# KiCad board nola8.kicad_pcb
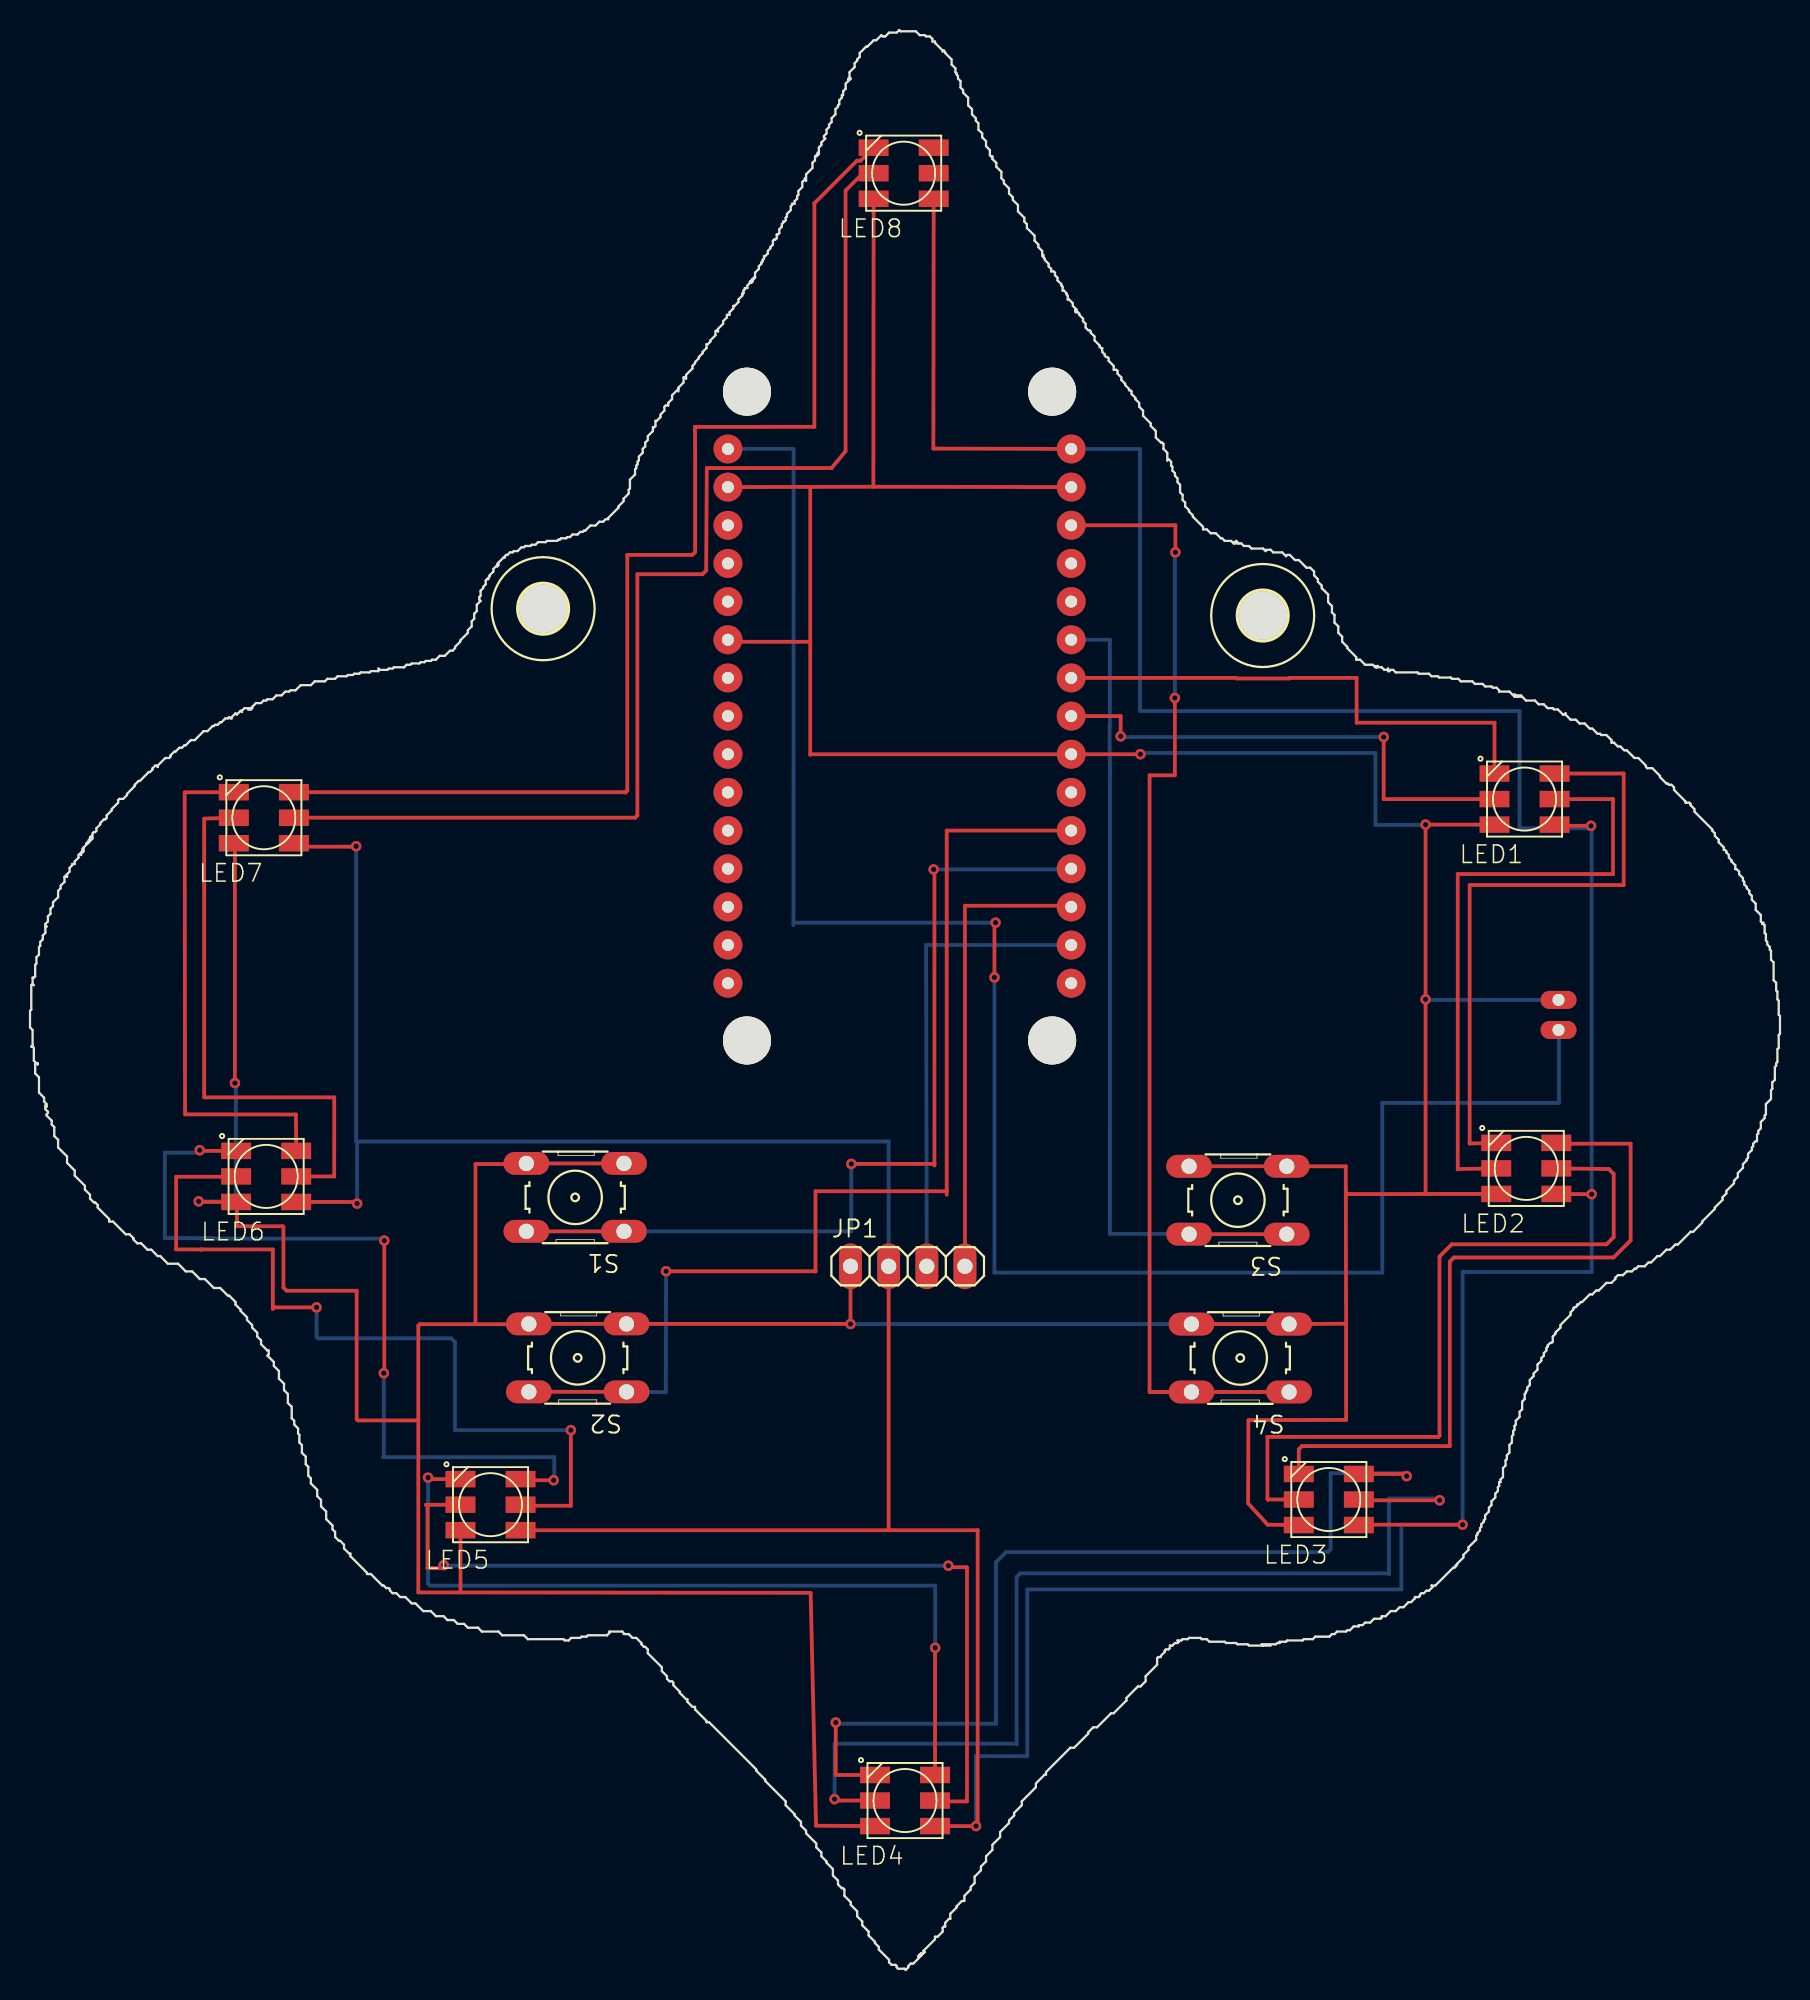
[diagram p0: board, top side]
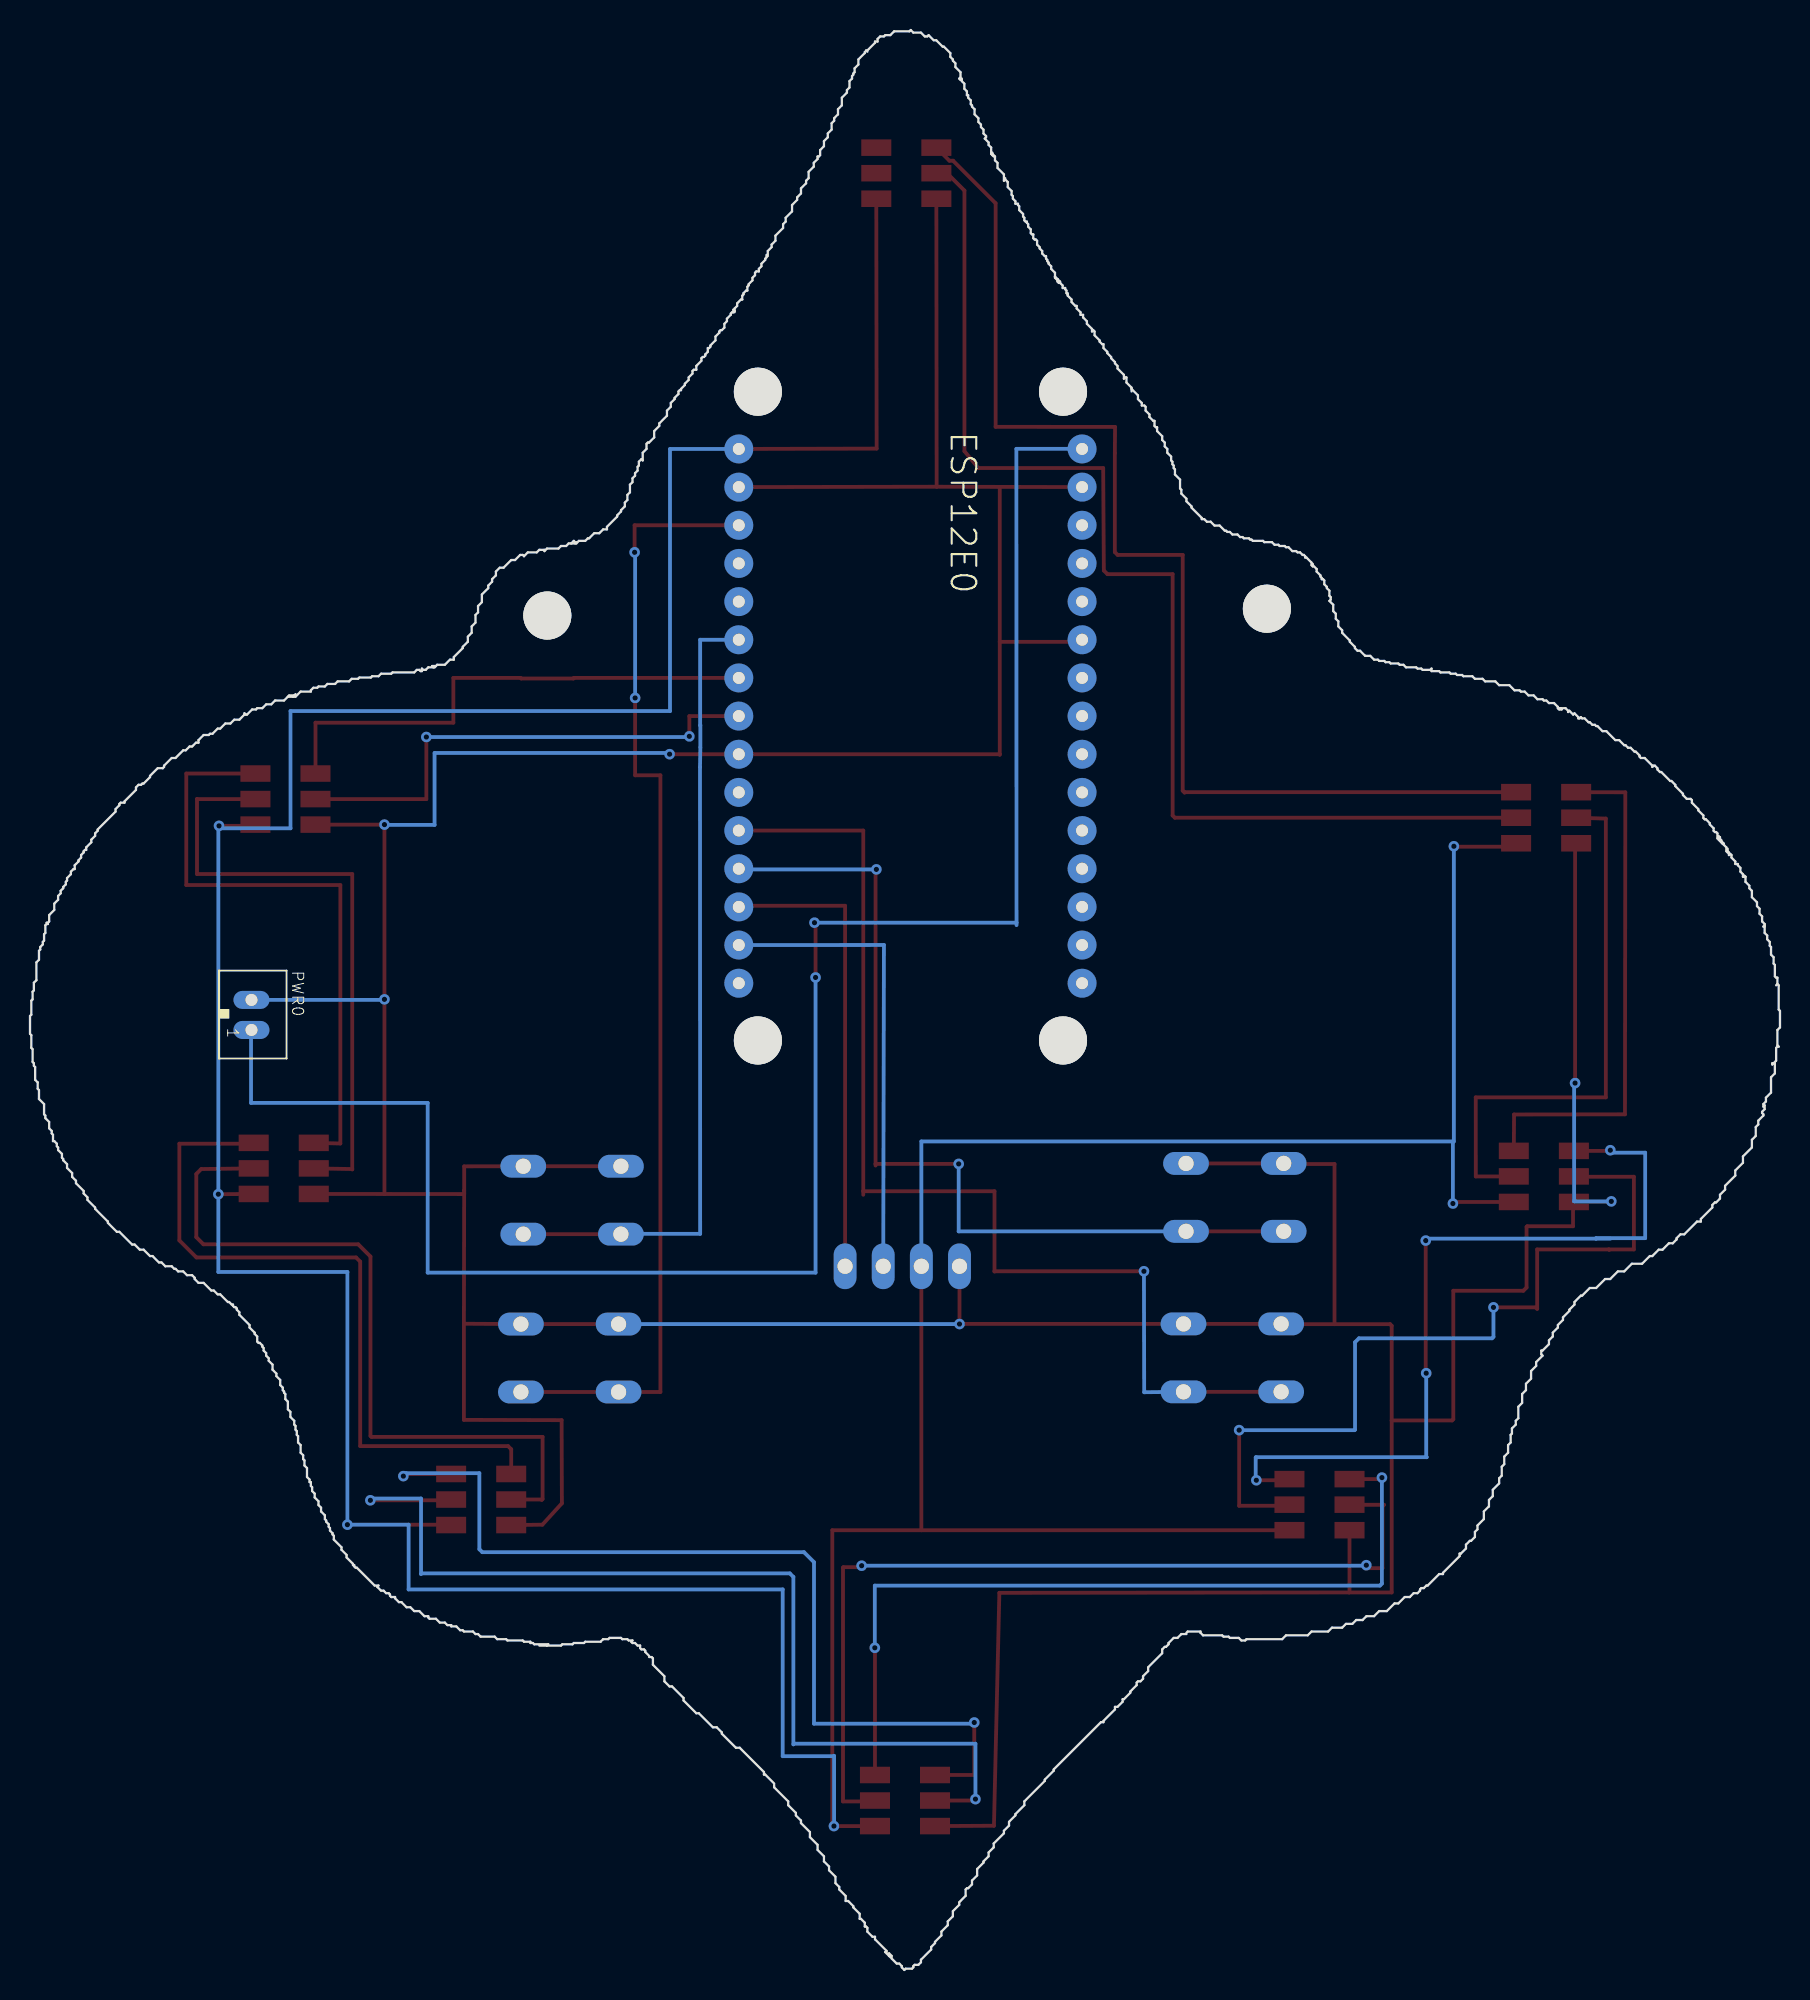
[diagram p1: board, bottom side, seen from below]

Outline 116.53 x 129.12 mm; copper layers: Top, Bottom. Coordinates in mm from the lower left corner of the outline.
Outline path: 0.17,65.62 0.17,66.05 0.26,66.05 0.34,66.13 0.34,66.9 0.43,66.98 0.43,67.41 0.59,67.58 0.59,68.09 0.68,68.17 0.68,68.43 0.85,68.6 0.85,68.85 1.02,69.02 1.02,69.45 1.11,69.45 1.02,69.53 1.02,69.62 1.19,69.79 1.19,70.13 1.36,70.3 1.36,70.64 1.53,70.81 1.53,71.06 1.87,71.4 1.87,71.83 2.04,72 2.04,72.17 2.3,72.42 2.3,72.76 ; 0.17,65.62 0.09,65.54 0.09,63.92 0,63.84 0,62.73 0.17,62.56 0.17,61.54 0.09,61.46 0.17,61.46 0.26,61.37 0.26,60.52 0.51,60.27 0.51,60.35 0.34,60.35 0.34,59.67 0.59,59.42 0.59,58.4 0.94,58.06 0.94,57.8 1.11,57.63 1.11,57.46 1.02,57.55 1.02,57.29 1.19,57.12 1.19,57.04 1.11,56.95 1.11,56.87 1.45,56.53 1.45,56.27 1.62,56.1 1.62,55.51 1.87,55.25 1.87,54.74 2.47,54.15 2.47,53.72 2.98,53.21 2.98,52.87 3.66,52.19 3.66,51.94 4,51.6 4,51.34 4.25,51.09 4.34,51.09 4.51,50.92 4.51,50.75 5.27,49.98 5.27,49.81 5.53,49.81 6.38,48.96 6.63,48.96 6.89,48.71 6.89,48.62 7.14,48.37 7.4,48.37 7.82,47.94 8.08,47.94 8.5,47.52 8.67,47.52 9.18,47.01 9.86,47.01 10.37,46.5 10.8,46.5 11.31,45.99 11.65,45.99 12.24,45.39 12.67,45.39 13.18,44.88 13.26,44.88 13.69,44.46 13.69,44.29 14.03,43.95 14.03,43.86 14.45,43.44 14.45,43.27 14.79,42.93 14.79,42.76 15.13,42.42 15.13,42.16 15.39,41.91 15.39,41.65 15.81,41.23 15.9,41.23 15.9,40.97 15.81,40.89 16.23,40.46 16.23,40.21 16.58,39.87 16.58,39.36 16.92,39.02 16.92,38.59 17.17,38.34 17.17,37.74 17.43,37.49 17.43,36.72 17.59,36.55 17.59,36.3 17.85,36.04 17.85,35.7 17.94,35.62 17.94,35.11 18.11,34.94 18.11,34.43 18.36,34.17 18.36,33.66 18.53,33.49 18.53,32.9 18.7,32.73 18.7,32.39 19.12,31.96 19.12,31.53 19.38,31.28 19.38,30.86 19.72,30.52 19.72,30.01 20.15,29.58 20.15,29.33 20.31,29.16 20.31,28.81 20.57,28.56 20.66,28.56 20.91,28.31 20.91,28.05 21.25,27.71 21.34,27.71 21.34,27.54 22.44,26.44 22.44,26.35 22.7,26.35 23.46,25.59 23.55,25.59 23.72,25.42 23.89,25.42 23.97,25.33 23.97,25.25 24.14,25.08 24.4,25.08 24.65,24.82 24.99,24.82 25.42,24.4 25.67,24.4 26.18,23.89 26.69,23.89 27.03,23.55 27.54,23.55 27.8,23.29 28.22,23.29 28.48,23.03 28.9,23.03 29.16,22.78 29.84,22.78 30.09,22.53 31.2,22.53 31.45,22.27 32.9,22.27 33.15,22.02 35.53,22.02 35.62,21.93 35.87,21.93 36.04,22.1 36.64,22.1 36.72,22.19 37.06,22.19 37.15,22.27 38.42,22.27 38.59,22.44 38.59,22.53 39.44,22.53 39.53,22.44 ; 0.17,65.62 0.26,65.54 ; 2.3,72.76 2.38,72.85 ; 2.3,72.76 2.47,72.76 2.47,72.93 2.64,73.1 2.64,73.36 2.81,73.53 2.81,73.61 2.98,73.61 2.98,73.78 3.23,74.04 3.23,74.21 3.31,74.29 3.4,74.21 3.4,74.38 3.48,74.46 ; 3.48,74.63 3.48,74.46 ; 3.48,74.46 3.48,74.38 3.57,74.46 3.57,74.72 3.83,74.97 ; 3.91,75.14 3.74,74.97 3.83,74.97 ; 3.91,75.14 3.91,75.23 ; 3.91,75.14 3.91,75.06 ; 3.83,74.97 3.91,75.06 ; 3.91,75.06 4,75.14 ; 4,75.14 4,75.4 4.08,75.31 4.17,75.31 4.17,75.65 4.25,75.74 4.34,75.74 4.42,75.82 4.42,75.99 4.68,76.25 4.68,76.33 4.93,76.59 5.02,76.59 5.1,76.67 5.1,76.84 5.44,77.18 5.44,77.27 5.87,77.69 5.87,77.86 5.95,77.95 6.2,77.95 6.46,78.2 6.46,78.29 6.97,78.8 6.97,78.88 7.23,79.14 7.31,79.14 7.91,79.73 7.99,79.73 8.16,79.9 8.16,79.99 8.33,80.16 8.42,80.16 8.5,80.07 8.5,80.16 9.01,80.67 9.27,80.67 9.35,80.75 9.35,80.84 9.61,81.09 9.69,81.09 9.95,81.35 10.12,81.35 10.29,81.52 10.37,81.52 10.71,81.86 10.97,81.86 11.56,82.45 11.81,82.45 12.16,82.79 12.24,82.79 12.33,82.88 12.5,82.88 12.67,83.05 12.75,83.05 13.01,83.3 13.18,83.3 13.26,83.39 13.34,83.3 13.43,83.3 13.43,83.39 13.69,83.64 13.77,83.56 14.03,83.81 14.11,83.73 14.11,83.81 14.28,83.98 14.62,83.98 ; 4,75.14 4.08,75.23 4.08,75.48 ; 14.62,83.98 14.54,83.9 14.7,83.9 14.79,83.98 ; 14.62,83.98 14.79,83.98 ; 14.79,83.98 14.79,84.07 15.05,84.32 15.39,84.32 15.56,84.49 15.73,84.49 15.81,84.58 16.15,84.58 16.41,84.83 16.75,84.83 17,85.09 17.26,85.09 17.34,85.17 17.68,85.17 18.02,85.51 18.7,85.51 18.95,85.77 19.64,85.77 19.81,85.94 20.31,85.94 20.48,86.11 21.08,86.11 21.17,86.19 21.51,86.19 21.59,86.28 21.93,86.28 22.02,86.36 22.61,86.36 22.7,86.45 23.2,86.45 23.2,86.62 23.29,86.53 23.8,86.53 23.89,86.62 24.14,86.62 24.23,86.7 24.91,86.7 25.08,86.87 25.33,86.87 25.42,86.96 25.93,86.96 26.01,87.04 26.27,87.04 26.35,87.13 26.69,87.13 26.78,87.21 27.03,87.21 27.29,87.47 27.62,87.47 27.97,87.81 28.14,87.81 28.31,87.98 28.31,88.06 28.65,88.4 28.65,88.49 29.16,89 29.16,89.17 29.41,89.42 29.41,89.76 29.58,89.93 29.58,90.27 29.75,90.44 29.75,90.87 30.01,91.12 29.92,91.21 29.92,91.38 30.01,91.46 30.01,91.8 30.18,91.97 30.18,92.06 30.34,92.23 30.34,92.48 30.43,92.57 30.52,92.57 30.52,92.65 30.6,92.74 30.6,92.82 30.86,93.08 30.86,93.25 31.11,93.5 ; 31.11,93.59 31.11,93.5 ; 31.11,93.5 31.11,93.42 31.2,93.5 31.2,93.67 31.54,94.01 31.62,94.01 31.62,94.1 31.7,94.18 31.79,94.18 31.96,94.35 32.13,94.35 32.22,94.44 32.47,94.44 32.73,94.69 32.9,94.69 32.98,94.78 33.32,94.78 33.41,94.86 33.66,94.86 33.83,95.03 34.34,95.03 34.43,95.12 35.11,95.12 35.19,95.2 35.28,95.2 35.36,95.29 35.7,95.29 35.79,95.37 35.95,95.37 36.12,95.54 36.47,95.54 36.64,95.71 36.81,95.71 36.89,95.8 36.98,95.8 37.31,96.14 37.66,96.14 37.91,96.39 38.16,96.39 38.34,96.56 38.5,96.56 38.5,96.65 39.19,97.33 39.19,97.41 39.53,97.75 39.53,97.92 39.87,98.26 39.87,98.52 39.95,98.6 39.95,99.2 40.29,99.54 40.29,99.88 40.38,99.96 40.38,100.13 40.46,100.22 40.46,100.39 40.55,100.47 40.55,100.73 40.8,100.98 40.8,101.24 40.97,101.41 40.97,101.66 41.14,101.83 41.14,102.09 41.48,102.43 41.48,102.68 41.56,102.68 41.65,102.77 41.65,103.11 41.74,103.11 41.99,103.36 41.99,103.53 42.25,103.79 42.25,104.04 42.33,104.13 42.5,104.13 42.5,104.3 42.75,104.55 42.75,104.81 43.18,105.23 ; 39.53,22.36 39.87,22.36 40.12,22.1 40.38,22.1 40.72,21.76 40.72,21.68 40.88,21.51 40.97,21.51 41.14,21.34 41.14,21.08 42.08,20.15 42.08,19.89 42.41,19.55 42.41,19.38 42.59,19.21 42.75,19.21 42.84,19.12 42.84,18.96 43.27,18.53 43.27,18.45 43.69,18.02 43.78,18.02 43.78,17.85 44.12,17.51 44.28,17.51 44.28,17.34 45.05,16.58 45.05,16.49 45.22,16.49 48.37,13.34 48.37,13.26 48.96,12.67 48.96,12.58 50.32,11.22 50.32,10.97 50.91,10.37 50.91,10.28 51.34,9.86 51.34,9.61 51.68,9.27 51.68,9.09 52.36,8.42 52.36,8.16 52.7,7.82 52.7,7.56 53.04,7.23 53.04,7.14 53.47,6.72 53.47,6.29 53.81,5.95 53.81,5.7 54.06,5.44 54.15,5.44 54.23,5.36 54.23,4.93 54.66,4.51 54.66,4.34 55.08,3.91 55.08,3.57 55.42,3.23 55.42,2.98 55.84,2.55 55.84,2.3 56.27,1.87 56.27,1.78 56.53,1.53 56.53,1.36 57.21,0.68 57.21,0.51 57.38,0.34 57.63,0.34 57.72,0.26 57.72,0.17 57.8,0.09 58.22,0.09 58.31,0 58.48,0.17 58.48,0.26 58.65,0.43 58.82,0.43 59.16,0.77 59.16,0.94 59.33,1.11 59.33,0.94 ; 43.18,105.23 43.18,105.32 43.52,105.66 43.52,106 43.61,106 43.69,105.91 43.69,106.17 44.12,106.59 44.12,106.76 44.28,106.93 44.28,107.02 44.54,107.27 44.54,107.36 44.8,107.61 44.8,107.7 45.05,107.95 45.05,108.21 45.13,108.21 45.31,108.38 45.31,108.46 45.65,108.8 45.65,109.06 45.73,109.14 45.81,109.06 45.81,109.23 46.16,109.57 46.16,109.74 46.41,109.99 46.41,110.16 46.58,110.16 46.58,110.33 46.84,110.59 46.84,110.76 46.92,110.76 47.18,111.01 47.18,111.18 47.43,111.44 47.43,111.52 ; 43.18,105.23 43.18,105.06 ; 47.43,111.52 47.43,111.61 ; 47.43,111.52 47.52,111.61 47.52,111.78 47.6,111.86 47.6,111.95 47.77,111.95 47.77,112.12 48.28,112.62 48.28,112.71 ; 48.11,112.54 47.94,112.37 47.94,112.29 48.03,112.29 48.11,112.37 48.11,112.54 ; 48.11,112.54 48.28,112.71 ; 48.28,112.71 48.28,112.97 48.53,113.22 48.53,113.39 48.71,113.56 48.71,113.65 48.79,113.73 48.79,113.82 48.88,113.9 48.88,114.07 48.96,114.07 49.13,114.24 49.13,114.41 49.3,114.58 49.3,114.67 49.47,114.84 49.47,115.09 49.56,115.18 49.64,115.18 49.72,115.26 49.72,115.52 49.81,115.52 49.9,115.6 49.9,115.86 50.06,116.03 50.06,116.2 50.15,116.28 50.15,116.37 50.24,116.37 50.32,116.45 50.32,116.62 50.41,116.71 50.41,116.88 50.66,117.13 50.66,117.39 50.75,117.47 50.75,117.56 50.91,117.56 50.91,117.73 51.09,117.9 51.09,118.07 51.17,118.15 51.17,118.41 51.43,118.66 51.43,119 51.59,119.17 ; 51.59,119.26 51.59,119.17 ; 51.59,119.17 51.68,119.09 51.68,119.51 52.11,119.94 52.11,120.28 52.28,120.45 52.28,120.7 52.44,120.87 ; 52.36,120.7 52.44,120.79 ; 52.44,120.79 52.44,120.87 ; 52.44,120.79 52.53,120.87 52.53,121.3 52.7,121.47 52.7,121.64 52.96,121.89 52.87,121.98 52.87,122.06 53.04,122.23 53.04,122.49 53.21,122.66 53.21,122.83 53.38,123 53.38,123.25 53.63,123.51 53.63,123.85 53.81,124.02 53.81,124.1 53.89,124.19 53.89,124.44 54.06,124.61 54.06,124.78 54.15,124.78 54.15,125.04 54.31,125.21 54.31,125.55 54.49,125.72 54.49,125.8 ; 52.44,120.96 52.44,120.87 ; 54.49,125.8 54.49,125.89 ; 54.49,125.8 54.57,125.8 54.66,125.89 54.57,125.97 54.57,126.31 54.91,126.65 54.91,126.91 55.08,127.08 55.08,127.16 55.25,127.33 55.25,127.59 55.68,128.01 55.76,128.01 56.19,128.44 56.36,128.44 56.69,128.78 56.78,128.69 56.95,128.69 57.21,128.94 57.72,128.94 57.88,129.12 57.97,129.03 58.99,129.03 59.25,128.78 59.59,128.78 59.67,128.69 59.93,128.69 60.09,128.52 60.09,128.35 60.27,128.35 60.27,128.27 60.78,127.76 60.86,127.76 60.78,127.67 ; 59.33,0.94 59.25,0.85 ; 59.33,0.94 59.59,1.19 59.5,1.19 59.5,1.28 60.27,2.04 60.27,2.21 60.44,2.21 60.78,2.55 60.78,2.81 60.86,2.89 60.94,2.89 60.94,3.15 61.2,3.4 61.28,3.4 61.28,3.74 61.71,4.17 61.71,4.25 62.05,4.59 62.22,4.59 62.22,4.93 62.65,5.36 62.65,5.53 62.9,5.78 62.9,6.21 63.33,6.63 63.33,6.89 63.66,7.23 63.66,7.56 64.09,7.99 64.09,8.33 64.6,8.84 64.6,9.18 65.19,9.78 65.19,9.95 65.53,10.28 65.53,10.46 66.05,10.97 66.05,11.22 66.98,12.16 66.98,12.33 ; 60.94,127.67 60.94,127.59 61.37,127.16 61.37,126.82 61.62,126.57 61.62,126.31 61.71,126.23 61.71,126.14 61.8,126.06 61.8,125.89 61.97,125.72 61.97,125.29 62.13,125.12 62.13,124.95 62.47,124.61 62.47,124.1 62.73,123.85 62.73,123.51 62.99,123.25 62.99,123.08 63.16,122.91 63.16,122.49 63.41,122.23 63.41,121.98 63.66,121.72 63.66,121.38 63.92,121.12 63.92,120.79 64,120.7 64.09,120.7 64.09,120.53 64.34,120.28 64.34,120.02 64.69,119.68 64.69,119.26 64.86,119.09 64.86,118.92 65.19,118.58 65.19,118.24 65.45,117.98 65.45,117.81 65.79,117.47 65.79,117.05 66.22,116.62 66.22,116.37 66.38,116.2 66.38,115.94 66.9,115.43 66.9,115.09 67.15,114.84 67.15,114.67 67.41,114.41 67.41,114.07 ; 66.98,12.41 67.58,13.01 67.66,13.01 67.66,13.18 69.28,14.79 69.53,14.79 70.47,15.73 70.47,15.81 70.81,16.15 71.06,16.15 72,17.09 72.16,17.09 73.02,17.94 73.02,18.11 73.78,18.87 73.95,18.87 74.29,19.21 74.29,19.55 75.06,20.31 75.06,20.74 75.14,20.83 75.31,20.83 ; 67.49,114.16 67.49,113.99 67.58,113.9 67.58,113.82 67.83,113.56 67.83,113.39 68,113.22 68,113.05 68.17,113.05 68.25,112.97 68.25,112.8 68.43,112.62 68.43,112.46 68.68,112.2 68.68,112.12 68.77,112.03 68.77,111.78 68.85,111.78 69.02,111.61 69.02,111.52 69.11,111.44 69.11,111.18 69.19,111.18 69.44,110.93 69.44,110.76 69.62,110.59 69.62,110.42 ; 69.62,110.42 69.7,110.5 69.7,110.33 69.78,110.33 69.87,110.25 69.87,110.16 70.12,109.91 70.12,109.74 70.3,109.57 70.3,109.31 70.47,109.14 70.55,109.14 70.63,109.06 70.63,108.97 70.89,108.72 70.89,108.46 71.23,108.12 71.23,108.04 71.31,107.95 71.4,107.95 71.4,107.7 71.57,107.53 71.57,107.44 71.66,107.36 71.74,107.36 71.83,107.27 71.83,107.1 72.16,106.76 72.16,106.51 72.34,106.51 72.42,106.42 72.42,106.25 72.68,106 72.68,105.83 72.93,105.57 72.93,105.49 73.19,105.23 73.19,105.15 73.27,105.15 73.36,105.06 73.36,104.89 73.61,104.64 73.61,104.55 73.87,104.3 73.87,104.04 74.12,103.79 74.12,103.45 74.63,102.94 74.63,102.77 74.97,102.43 74.97,102 75.31,101.66 75.4,101.66 75.48,101.58 75.48,101.24 75.74,100.98 75.74,100.47 75.82,100.56 75.99,100.39 75.99,100.13 76.08,100.05 76.08,99.79 76.25,99.62 76.25,99.45 76.41,99.28 76.41,99.03 76.59,98.86 76.59,98.35 76.75,98.18 76.75,97.84 76.93,97.67 76.93,97.41 77.18,97.16 77.18,97.07 77.44,96.82 77.44,96.73 78.12,96.05 78.12,95.88 78.37,95.88 78.62,95.63 78.97,95.63 79.31,95.29 79.39,95.29 79.56,95.12 79.99,95.12 80.16,94.95 80.33,95.12 80.5,94.95 ; 69.62,110.42 69.62,110.33 ; 75.31,20.91 75.56,21.17 75.56,21.25 75.65,21.34 75.82,21.34 75.91,21.42 75.91,21.59 76.08,21.59 76.25,21.76 76.41,21.76 76.5,21.84 76.41,21.93 76.67,21.93 76.75,22.02 77.09,22.02 77.18,22.1 77.94,22.1 78.03,22.02 78.37,22.02 78.54,21.84 79.56,21.84 79.65,21.76 80.33,21.76 80.41,21.68 81.09,21.68 81.18,21.59 82.11,21.59 ; 80.16,95.03 80.24,94.95 80.5,94.95 ; 80.5,94.95 80.66,94.95 80.84,94.78 81.18,94.78 81.34,94.61 82.11,94.61 82.28,94.44 82.28,94.52 82.62,94.52 82.79,94.35 83.38,94.35 83.64,94.1 83.72,94.18 83.9,94.18 84.24,93.84 84.49,93.84 85,93.33 85.25,93.33 85.51,93.08 85.51,92.82 85.77,92.57 85.77,92.4 86.02,92.14 86.02,91.97 86.44,91.55 86.44,91.04 86.7,90.78 86.7,90.36 86.87,90.19 86.87,89.68 87.12,89.42 87.12,89 87.38,88.74 87.38,88.4 87.72,88.06 87.72,87.98 88.31,87.38 88.31,87.21 88.57,87.21 88.91,86.87 89.42,86.87 89.5,86.79 ; 82.11,21.59 82.03,21.68 82.96,21.68 83.05,21.76 83.22,21.76 83.22,21.84 83.64,21.84 83.72,21.93 84.75,21.93 84.83,22.02 85.43,22.02 85.59,22.19 86.53,22.19 86.7,22.36 86.87,22.36 87.04,22.53 87.63,22.53 87.72,22.61 87.89,22.61 88.15,22.87 88.49,22.87 88.49,22.95 88.74,22.95 88.91,23.12 89.25,23.12 89.5,23.38 89.93,23.38 90.02,23.46 90.02,23.55 90.27,23.55 90.61,23.89 90.95,23.89 91.21,24.14 91.46,24.14 91.8,24.48 91.97,24.48 92.22,24.74 92.22,24.82 92.48,24.82 92.56,24.91 92.56,24.99 92.65,25.08 92.82,25.08 92.99,25.25 93.16,25.25 93.41,25.5 93.33,25.59 93.59,25.59 94.78,26.78 94.86,26.78 94.94,26.86 94.94,26.95 95.03,26.95 95.03,27.03 95.46,27.46 95.46,27.62 95.8,27.97 95.8,28.14 96.31,28.65 96.31,28.9 96.39,28.99 96.39,29.07 96.56,29.24 96.56,29.41 96.65,29.5 96.65,29.67 96.81,29.84 96.81,29.92 96.9,30.01 96.9,30.26 97.16,30.52 97.16,30.77 97.33,30.94 97.33,31.2 97.58,31.45 97.58,31.71 97.75,31.88 97.75,32.13 97.84,32.22 97.84,32.47 97.92,32.47 97.92,32.64 98.09,32.81 98.09,33.41 98.26,33.58 98.26,33.92 98.34,34 98.34,34.26 98.52,34.43 98.52,34.94 98.69,35.11 98.69,35.53 98.77,35.62 98.77,35.87 98.86,35.96 98.86,36.21 98.94,36.3 98.94,36.55 99.19,36.81 99.19,37.15 99.37,37.31 99.37,37.83 99.53,38 99.53,38.34 99.62,38.42 99.62,38.51 99.71,38.59 99.71,38.76 99.88,38.93 99.88,39.27 100.13,39.53 100.13,39.7 100.38,39.95 100.38,40.29 100.64,40.55 100.64,40.72 100.81,40.89 100.81,41.06 100.98,41.23 100.98,41.4 101.06,41.48 101.06,41.57 101.24,41.74 101.32,41.74 101.41,41.82 101.41,42.16 101.58,42.33 101.58,42.42 101.91,42.76 101.91,42.93 102.59,43.61 102.59,43.78 102.77,43.95 102.77,44.03 102.85,44.12 102.94,44.12 103.02,44.2 103.02,44.29 103.11,44.29 103.28,44.46 103.36,44.46 103.87,44.97 104.04,44.97 104.3,45.22 104.47,45.22 104.97,45.73 105.31,45.73 105.57,45.99 105.57,46.07 105.74,46.24 106.08,46.24 106.34,46.5 106.68,46.5 106.84,46.67 106.93,46.67 107.1,46.84 107.53,46.84 107.78,47.09 107.95,47.09 108.38,47.52 108.55,47.52 108.97,47.94 109.22,47.94 109.56,48.28 109.74,48.28 110.59,49.13 110.75,49.13 111.35,49.73 111.35,49.81 112.2,50.66 112.2,50.75 112.71,51.26 112.71,51.43 112.97,51.68 112.97,51.85 113.47,52.36 113.47,52.53 113.73,52.79 113.73,53.04 114.07,53.38 114.07,53.64 114.33,53.89 114.33,53.98 114.41,54.06 114.41,54.32 114.66,54.57 114.66,54.74 114.75,54.83 114.75,55 114.92,55.17 115,55.17 115,55.59 115.09,55.68 115.09,55.85 115.26,56.02 115.26,56.44 115.52,56.7 115.52,56.87 115.6,56.95 115.6,57.63 115.94,57.97 115.94,58.57 116.03,58.65 116.03,59.08 116.19,59.25 116.19,60.1 116.28,60.18 116.28,60.35 116.37,60.44 116.37,61.29 116.45,61.37 116.45,62.22 116.53,62.31 116.53,63.5 116.45,63.58 116.45,64.52 116.37,64.6 116.37,65.11 116.28,65.2 116.28,65.71 116.11,65.88 116.11,67.07 115.94,67.24 115.94,67.83 115.86,67.92 115.86,68.09 115.69,68.26 115.69,68.43 115.6,68.51 115.6,68.94 115.52,69.02 115.52,69.53 115.43,69.62 115.34,69.62 115.43,69.7 115.34,69.7 115.26,69.79 115.26,70.21 114.92,70.55 114.92,70.98 114.66,71.23 114.66,71.49 114.5,71.66 114.5,71.83 114.33,72 114.33,72.08 114.16,72.25 114.16,72.42 114.07,72.51 114.07,72.68 113.81,72.93 113.81,73.1 113.65,73.27 113.56,73.27 113.56,73.53 113.31,73.78 113.31,73.87 113.13,74.04 113.13,74.21 112.97,74.38 112.97,74.46 112.88,74.55 112.8,74.55 112.8,74.72 112.46,75.06 112.46,75.23 112.2,75.48 112.2,75.65 112.03,75.82 112.03,75.91 110.84,77.1 110.84,77.27 110.59,77.52 110.59,77.61 110.5,77.69 110.25,77.69 110.25,77.78 109.48,78.54 109.48,78.71 109.31,78.88 109.14,78.88 109.06,78.97 108.97,78.97 108.55,79.39 108.55,79.48 108.03,79.99 107.69,79.99 107.61,80.07 107.61,80.16 107.1,80.67 106.84,80.67 106.34,81.18 106.16,81.18 105.91,81.43 105.74,81.43 105.49,81.69 105.31,81.69 105.31,81.86 104.97,82.2 104.63,82.2 104.55,82.28 104.38,82.28 104.04,82.62 103.87,82.62 103.53,82.96 103.19,82.96 102.94,83.22 102.59,83.22 102.25,83.56 102.25,83.64 102.17,83.56 102.09,83.56 101.75,83.9 101.49,83.9 101.41,83.98 101.06,83.98 100.81,84.24 100.47,84.24 100.22,84.49 99.62,84.49 99.28,84.83 98.94,84.83 ; 82.11,21.59 82.62,21.59 ; 89.5,86.79 89.59,86.7 89.68,86.7 ; 89.5,86.79 89.76,86.79 89.68,86.7 ; 89.68,86.7 90.02,86.7 90.19,86.53 90.36,86.53 90.44,86.62 90.44,86.45 90.53,86.45 90.61,86.53 90.78,86.53 90.95,86.36 92.4,86.36 92.48,86.28 93.16,86.28 93.33,86.11 93.75,86.11 93.84,86.02 94.61,86.02 94.69,85.94 95.12,85.94 95.28,85.77 96.05,85.77 96.22,85.6 96.73,85.6 96.9,85.43 97.33,85.43 97.41,85.34 97.66,85.34 97.84,85.17 97.84,85.09 98.52,85.09 98.86,84.75 99.03,84.75 ; 98.86,84.92 98.94,84.83 ; 98.94,84.83 99.03,84.75 ; 99.03,84.75 99.37,84.75

## Placement (name value [footprint] x y rotation side)
ESP12E0  -  [ESP12E_DEVKIT]  57.91 83.46 0 bottom
JP1  OLED  [1X04_325]  58.45 46.83 0 top
LED1  APA1025050  [APA102_5050]  99.53 77.93 0 top
LED2  APA1025050  [APA102_5050]  99.64 53.35 0 top
LED3  APA1025050  [APA102_5050]  86.49 31.31 0 top
LED4  APA1025050  [APA102_5050]  58.27 11.28 0 top
LED5  APA1025050  [APA102_5050]  30.67 30.97 0 top
LED6  APA1025050  [APA102_5050]  15.72 52.82 0 top
LED7  APA1025050  [APA102_5050]  15.57 76.69 0 top
LED8  APA1025050  [APA102_5050]  58.18 119.59 0 top
PWR0  JST-PH_2-PIN_HEADER  [JST_B2B-PH_HEADER]  101.84 63.64 270 bottom
S1  BACK  [B3F-10XX_377]  36.3 51.42 180 top
S2  LEFT  [B3F-10XX_377]  36.47 40.74 180 top
S3  ENTER  [B3F-10XX_377]  80.44 51.23 180 top
S4  RIGHT  [B3F-10XX_377]  80.59 40.73 180 top
U$1  -  [3,2_237]  34.17 90.6 0 top
U$2  -  [3,2_237]  82.09 90.15 0 top

## Footprints (pads in the part's own frame, mm; a bottom-side part is the same pattern mirrored in y, then rotated)
1X04_325
  oval 1.524x3.048 hole 1.016: 1(-3.81,0) 2(-1.27,0) 3(1.27,0) 4(3.81,0)
3,2_237
  round 3.2 hole 3.2 unplated: (0,0)
APA102_5050
  rect 2x1.1 smd: 1(2,-1.7) 2(2,0) 3(2,1.7) 4(-2,1.7) 5(-2,0) 6(-2,-1.7)
B3F-10XX_377
  oval 3.048x1.524 hole 1.016: 1(-3.251,2.261) 2(3.251,2.261) 3(-3.251,-2.261) 4(3.251,-2.261)
ESP12E_DEVKIT
  round 3.2 hole 3.2 unplated: (-10.16,-21.59) (-10.16,21.59) (10.16,-21.59) (10.16,21.59)
  round 1.93 hole 0.8: 3V3@0(-11.43,-7.62) 3V3@1(11.43,5.08) 3V3@2(11.43,-17.78) AD0(-11.43,17.78) CLK(-11.43,-2.54) CMD(-11.43,2.54) D0(11.43,17.78) D1(11.43,15.24) D2(11.43,12.7) D3(11.43,10.16) D4(11.43,7.62) D5(11.43,0) D6(11.43,-2.54) D7(11.43,-5.08) D8(11.43,-7.62) EN(-11.43,-10.16) GND@0(-11.43,-5.08) GND@1(-11.43,-15.24) GND@2(11.43,2.54) GND@3(11.43,-15.24) RST(-11.43,-12.7) RSV@0(-11.43,15.24) RSV@1(-11.43,12.7) RX(11.43,-10.16) SD0(-11.43,0) SD1(-11.43,5.08) SD2(-11.43,7.62) SD3(-11.43,10.16) TX(11.43,-12.7) VIN(-11.43,-17.78)
JST_B2B-PH_HEADER
  oval 1.2x2.4 hole 0.8: P1(1.075,0.048) P2(-0.925,0.048)

## Nets
GND: ESP12E0.GND@0 ESP12E0.GND@1 ESP12E0.GND@2 ESP12E0.GND@3 JP1.1 LED1.6 LED2.6 LED3.6 LED4.6 LED5.6 LED6.6 LED7.6 LED8.6 PWR0.P2 S1.3 S1.4 S2.3 S2.4 S3.3 S3.4 S4.3 S4.4
N$1: LED1.3 LED2.4
N$2: LED1.2 LED2.5
N$3: LED2.3 LED3.4
N$4: LED2.2 LED3.5
N$5: LED3.3 LED4.4
N$6: LED3.2 LED4.5
N$7: LED4.3 LED5.4
N$8: LED4.2 LED5.5
N$9: LED5.3 LED6.4
N$10: LED5.2 LED6.5
N$11: LED6.3 LED7.4
N$12: LED6.2 LED7.5
N$13: LED7.3 LED8.4
N$14: LED7.2 LED8.5
N$15: ESP12E0.D1 JP1.3
N$16: ESP12E0.3V3@2 JP1.2 LED1.1 LED2.1 LED3.1 LED4.1 LED5.1 LED6.1 LED7.1 LED8.1
N$17: ESP12E0.D2 JP1.4
N$19: ESP12E0.D6 LED1.4
N$20: ESP12E0.D5 LED1.5
N$22: ESP12E0.D3 S1.1 S1.2
N$23: ESP12E0.D4 S2.1 S2.2
N$24: ESP12E0.D7 S3.1 S3.2
N$25: ESP12E0.TX S4.1 S4.2
N$27: ESP12E0.VIN PWR0.P1

Pads without a net: ESP12E0 3V3@0 3V3@1 AD0 CLK CMD D0 D8 EN RST RSV@0 RSV@1 RX SD0 SD1 SD2 SD3; LED8 2 3

## Via types
v1: diameter 0.706, hole 0.35, Top to Bottom, 35 vias

## Routing (per net, layer and track width the routed paths; a pad name or vN(x,y) marks a point on that pad's centre or on a via; arc(x,y) is an arc through that point)
GND: length 412.4
  Top w0.254: S4.4 S4.3 87.64,43.01 ; ESP12E0.GND@0 46.47,88.4 51.96,88.4 ; 28.69,25.13 28.67,25.15 LED5.6 ; 28.69,25.13 51.98,25.1 52.34,9.6 LED4.6 ; 28.69,25.13 25.86,25.13 25.86,36.58 ; ESP12E0.GND@1 52.01,98.71 ; 52.01,98.71 56.16,98.72 ; 52.01,98.71 51.96,98.71 51.96,88.4 ; 87.64,43.01 87.64,43.01 87.62,51.89 ; 87.64,43.01 87.64,36.61 81.13,36.59 81.12,31.06 82.41,29.64 LED3.6 ; 51.96,88.4 51.96,80.92 ; 87.62,51.89 87.62,53.49 83.87,53.49 ; 87.62,51.89 87.62,51.64 92.93,51.65 ; 56.16,98.72 ESP12E0.GND@3 ; 56.16,98.72 LED8.6 ; JP1.1 v1(54.64,42.99) 54.61,42.97 54.58,43 S2.3 S2.4 33.2,42.98 29.66,42.98 ; S1.3 S1.4 33.01,53.64 29.66,53.64 29.66,42.98 ; LED7.6 13.64,74.99 v1(13.64,59.03) ; 29.66,42.98 25.97,42.98 25.86,42.88 25.86,36.58 ; LED2.6 92.93,51.65 ; 92.93,51.65 v1(92.93,64.6) v1(92.93,76.23) LED1.6 ; 83.87,53.49 S3.4 ; 83.87,53.49 S3.3 ; 25.86,36.58 21.83,36.58 21.75,36.66 21.75,45.21 17.09,45.21 16.88,45.42 16.88,49.45 16.83,49.5 13.78,49.5 13.78,51.06 LED6.6 11.27,51.12 arc(11.24,51.13) v1(11.23,51.16) ; v1(73.94,80.92) 73.94,80.92 ESP12E0.GND@2 51.96,80.92 ; 51.96,80.92 51.96,80.87
  Bottom w0.254: v1(54.64,42.99) 54.64,42.99 S4.4 ; v1(13.64,59.03) 13.71,59.03 13.71,51.16 v1(11.23,51.16) ; v1(92.93,76.23) 92.93,76.21 89.59,76.21 89.59,81 73.94,81 v1(73.94,80.92) ; PWR0.P2 92.97,64.56 v1(92.93,64.6)
N$1: length 41.3
  Top w0.254: LED1.3 106.13,79.63 106.13,72.21 95.87,72.21 95.87,55.01 LED2.4
N$2: length 41.4
  Top w0.254: LED1.2 105.42,77.93 105.42,72.94 95.08,72.94 95.08,53.31 ; 95.08,53.31 LED2.5 ; 95.08,53.31 95.08,53.28
N$3: length 48.6
  Top w0.254: LED2.3 101.36,54.99 106.59,54.99 106.59,48.56 105.45,47.42 94.82,47.42 94.55,47.15 94.55,34.87 84.7,34.87 84.49,34.66 LED3.4
N$4: length 50
  Top w0.254: LED3.5 82.47,31.31 82.45,31.29 82.4,31.35 82.4,35.48 93.8,35.48 93.86,35.55 93.86,47.48 94.68,48.3 104.99,48.3 105.46,48.77 105.46,52.98 105.13,53.31 LED2.2
N$5: length 63.6
  Top w0.254: v1(91.67,32.87) 91.53,33.01 LED3.3 ; LED4.4 56.27,12.98 53.66,12.98 v1(53.66,16.47)
  Bottom w0.254: v1(53.66,16.47) 53.73,16.39 64.33,16.39 64.33,27.14 64.99,27.81 86.42,27.81 86.61,28 86.61,33.06 91.48,33.06 v1(91.67,32.87)
N$6: length 68.5
  Top w0.254: v1(93.87,31.26) 88.54,31.26 LED3.2 ; v1(53.58,11.37) 53.67,11.28 LED4.5
  Bottom w0.254: v1(53.58,11.37) 53.58,15.06 65.66,15.06 65.7,15.02 65.7,26.16 65.94,26.39 90.46,26.39 90.5,26.36 90.5,31.38 93.75,31.38 v1(93.87,31.26)
N$7: length 55.7
  Top w0.254: v1(26.51,32.77) 26.61,32.67 LED5.4 ; v1(60.28,21.44) 60.27,21.43 LED4.3
  Bottom w0.254: v1(26.51,32.77) 26.51,25.72 26.64,25.58 60.28,25.58 v1(60.28,21.44)
N$8: length 60.3
  Top w0.254: v1(61.15,26.91) 61.25,26.81 62.36,26.81 62.4,26.78 62.4,11.22 60.33,11.22 LED4.2 ; LED5.5 28.66,30.96 26.37,30.96 26.47,30.86 26.47,26.74 27.35,26.74 v1(27.55,26.94)
  Bottom w0.254: v1(27.55,26.94) 27.58,26.91 v1(61.15,26.91)
N$9: length 55.9
  Top w0.254: v1(23.59,48.54) 23.59,39.75 arc(23.58,39.73) v1(23.56,39.72) ; LED5.3 32.74,32.59 v1(34.87,32.59) ; LED6.4 11.34,54.52 arc(11.31,54.53) v1(11.3,54.56)
  Bottom w0.254: 12.25,48.68 12.25,48.71 8.98,48.71 8.98,54.4 11.3,54.4 v1(11.3,54.56) ; 12.25,48.68 23.46,48.68 arc(23.55,48.64) v1(23.59,48.54) ; 12.25,48.68 11.3,48.68 ; v1(23.56,39.72) 23.56,34.16 arc(23.55,34.14) 23.53,34.13 34.89,34.13 arc(34.91,34.12) 34.91,34.11 34.91,32.64 arc(34.9,32.61) v1(34.87,32.59)
N$10: length 55.5
  Top w0.254: 11.4,47.96 11.36,47.92 ; 11.4,47.96 9.73,47.96 9.73,52.79 13.7,52.79 LED6.5 ; 11.4,47.96 16.17,47.96 16.17,44 16.27,44.1 v1(19.08,44.1) ; LED5.2 32.74,30.89 36.01,30.89 v1(36.01,35.93)
  Bottom w0.254: v1(36.01,35.93) 28.33,35.93 28.3,35.96 28.3,41.78 28.04,42.04 19.18,42.04 19.08,42.14 v1(19.08,44.1)
N$11: length 34.5
  Top w0.254: LED6.3 17.71,56.94 10.32,56.95 10.3,78.38 LED7.4
N$12: length 37
  Top w0.254: LED7.5 11.6,76.63 11.6,58.08 20.26,58.08 20.25,52.81 LED6.2
N$13: length 79.2
  Top w0.254: LED7.3 39.63,78.39 39.65,78.37 39.77,78.49 39.77,94.18 44.11,94.18 44.29,94.37 44.29,100.96 44.28,102.7 52.23,102.71 52.23,117.59 55.06,120.42 55.31,120.42 LED8.4
N$14: length 80
  Top w0.254: LED8.5 55.47,119.59 54.31,118.43 54.31,101.08 53.38,99.96 45.07,99.96 45.03,93.15 44.78,92.9 40.45,92.9 40.45,76.84 40.3,76.69 LED7.2 17.57,76.69
N$15: length 31
  Bottom w0.254: JP1.3 59.67,68.22 ESP12E0.D1
N$16: length 351.7
  Top w0.254: v1(21.78,51.01) 21.78,51.12 LED6.1 ; 57.18,29.27 JP1.2 ; 57.18,29.27 LED5.1 ; 57.18,29.27 63.11,29.27 63.11,9.58 v1(63,9.58) LED4.1 ; LED7.1 17.57,74.76 21.72,74.76 v1(21.72,74.79) ; LED1.1 102.11,76.23 102.19,76.15 v1(103.95,76.15) ; ESP12E0.3V3@2 60.16,101.26 LED8.1 ; v1(95.4,29.64) 88.49,29.64 LED3.1 ; LED2.1 v1(104,51.63)
  Bottom w0.254: v1(21.72,74.79) 21.72,55.14 21.78,55.14 ; v1(63,9.58) 62.99,9.58 62.99,14.23 ; 62.99,14.23 66.41,14.23 66.41,25.33 91.32,25.33 91.32,29.64 v1(95.4,29.64) 95.4,46.46 104,46.46 v1(104,51.63) 104,75.99 ; 62.99,14.23 62.99,14.26 ; v1(103.95,76.15) 104,76.1 104,75.99 ; JP1.2 57.18,55.14 21.78,55.14 ; 21.78,55.14 v1(21.78,51.01) ; 104,75.99 99.19,75.99 99.19,83.79 73.92,83.79 73.92,101.23 ESP12E0.3V3@2
N$17: length 31.1
  Top w0.254: ESP12E0.D2 69.34,70.83 62.26,70.83 JP1.4
N$19: length 34.6
  Top w0.254: LED1.4 97.53,83.02 88.34,83.02 88.34,86 83.86,86 83.82,85.96 80.35,85.96 80.31,86 ESP12E0.D6
N$20: length 33.7
  Top w0.254: v1(72.63,82.11) 72.63,83.46 ESP12E0.D5 ; v1(90.14,82.06) 90.14,77.93 LED1.5
  Bottom w0.254: v1(90.14,82.06) 72.63,82.06 v1(72.63,82.11)
N$22: length 60.6
  Top w0.254: 60.23,53.65 60.23,73.25 v1(60.17,73.25) ; 60.23,53.65 60.23,53.54 ; 60.23,53.65 v1(54.69,53.65) ; S1.2 S1.1
  Bottom w0.254: v1(60.17,73.25) 69.34,73.25 ESP12E0.D3 ; S1.1 54.69,49.16 v1(54.69,53.65)
N$23: length 73.7
  Top w0.254: 52.31,46.5 52.31,51.83 61.05,51.83 ; 52.31,46.5 52.31,46.48 ; 52.31,46.5 v1(42.36,46.5) ; ESP12E0.D4 61.05,75.84 61.05,51.83 ; 61.05,51.83 61.05,51.6 ; S2.2 S2.1
  Bottom w0.254: S2.1 42.34,38.45 v1(42.36,46.5)
N$24: length 53.9
  Top w0.254: S3.2 S3.1
  Bottom w0.254: ESP12E0.D7 71.91,88.54 71.91,82.84 71.9,82.84 71.9,81.37 71.92,80.06 71.91,49 77.19,49 S3.2
N$25: length 75.6
  Top w0.254: S4.1 S4.2 74.56,38.47 74.56,79.51 76.24,79.51 v1(76.24,84.66) ; v1(76.28,94.36) 76.28,96.16 ESP12E0.TX
  Bottom w0.254: v1(76.28,94.36) 76.24,94.36 v1(76.24,84.66)
N$27: length 126.7
  Top w0.254: v1(64.3,69.7) 64.22,69.7 v1(64.22,66.06)
  Bottom w0.254: 50.84,69.7 50.84,69.54 ; 50.84,69.7 v1(64.3,69.7) ; 50.84,69.7 50.85,101.24 46.48,101.24 ESP12E0.VIN ; v1(64.22,66.06) 64.22,46.41 90.05,46.41 90.05,57.71 101.82,57.71 101.82,62.56 PWR0.P1

## Text on the board
B.Silkscreen: /home/thedevilsvoice/workspace/badge_proto/nola/art/lock_NEW.bmp
F.Silkscreen: /home/thedevilsvoice/workspace/badge_proto/nola/art/nola_layered_NEW.bmp
